# Altium PCB PROC099A_ASCII.PcbDoc (part 1 of 6) (continued)
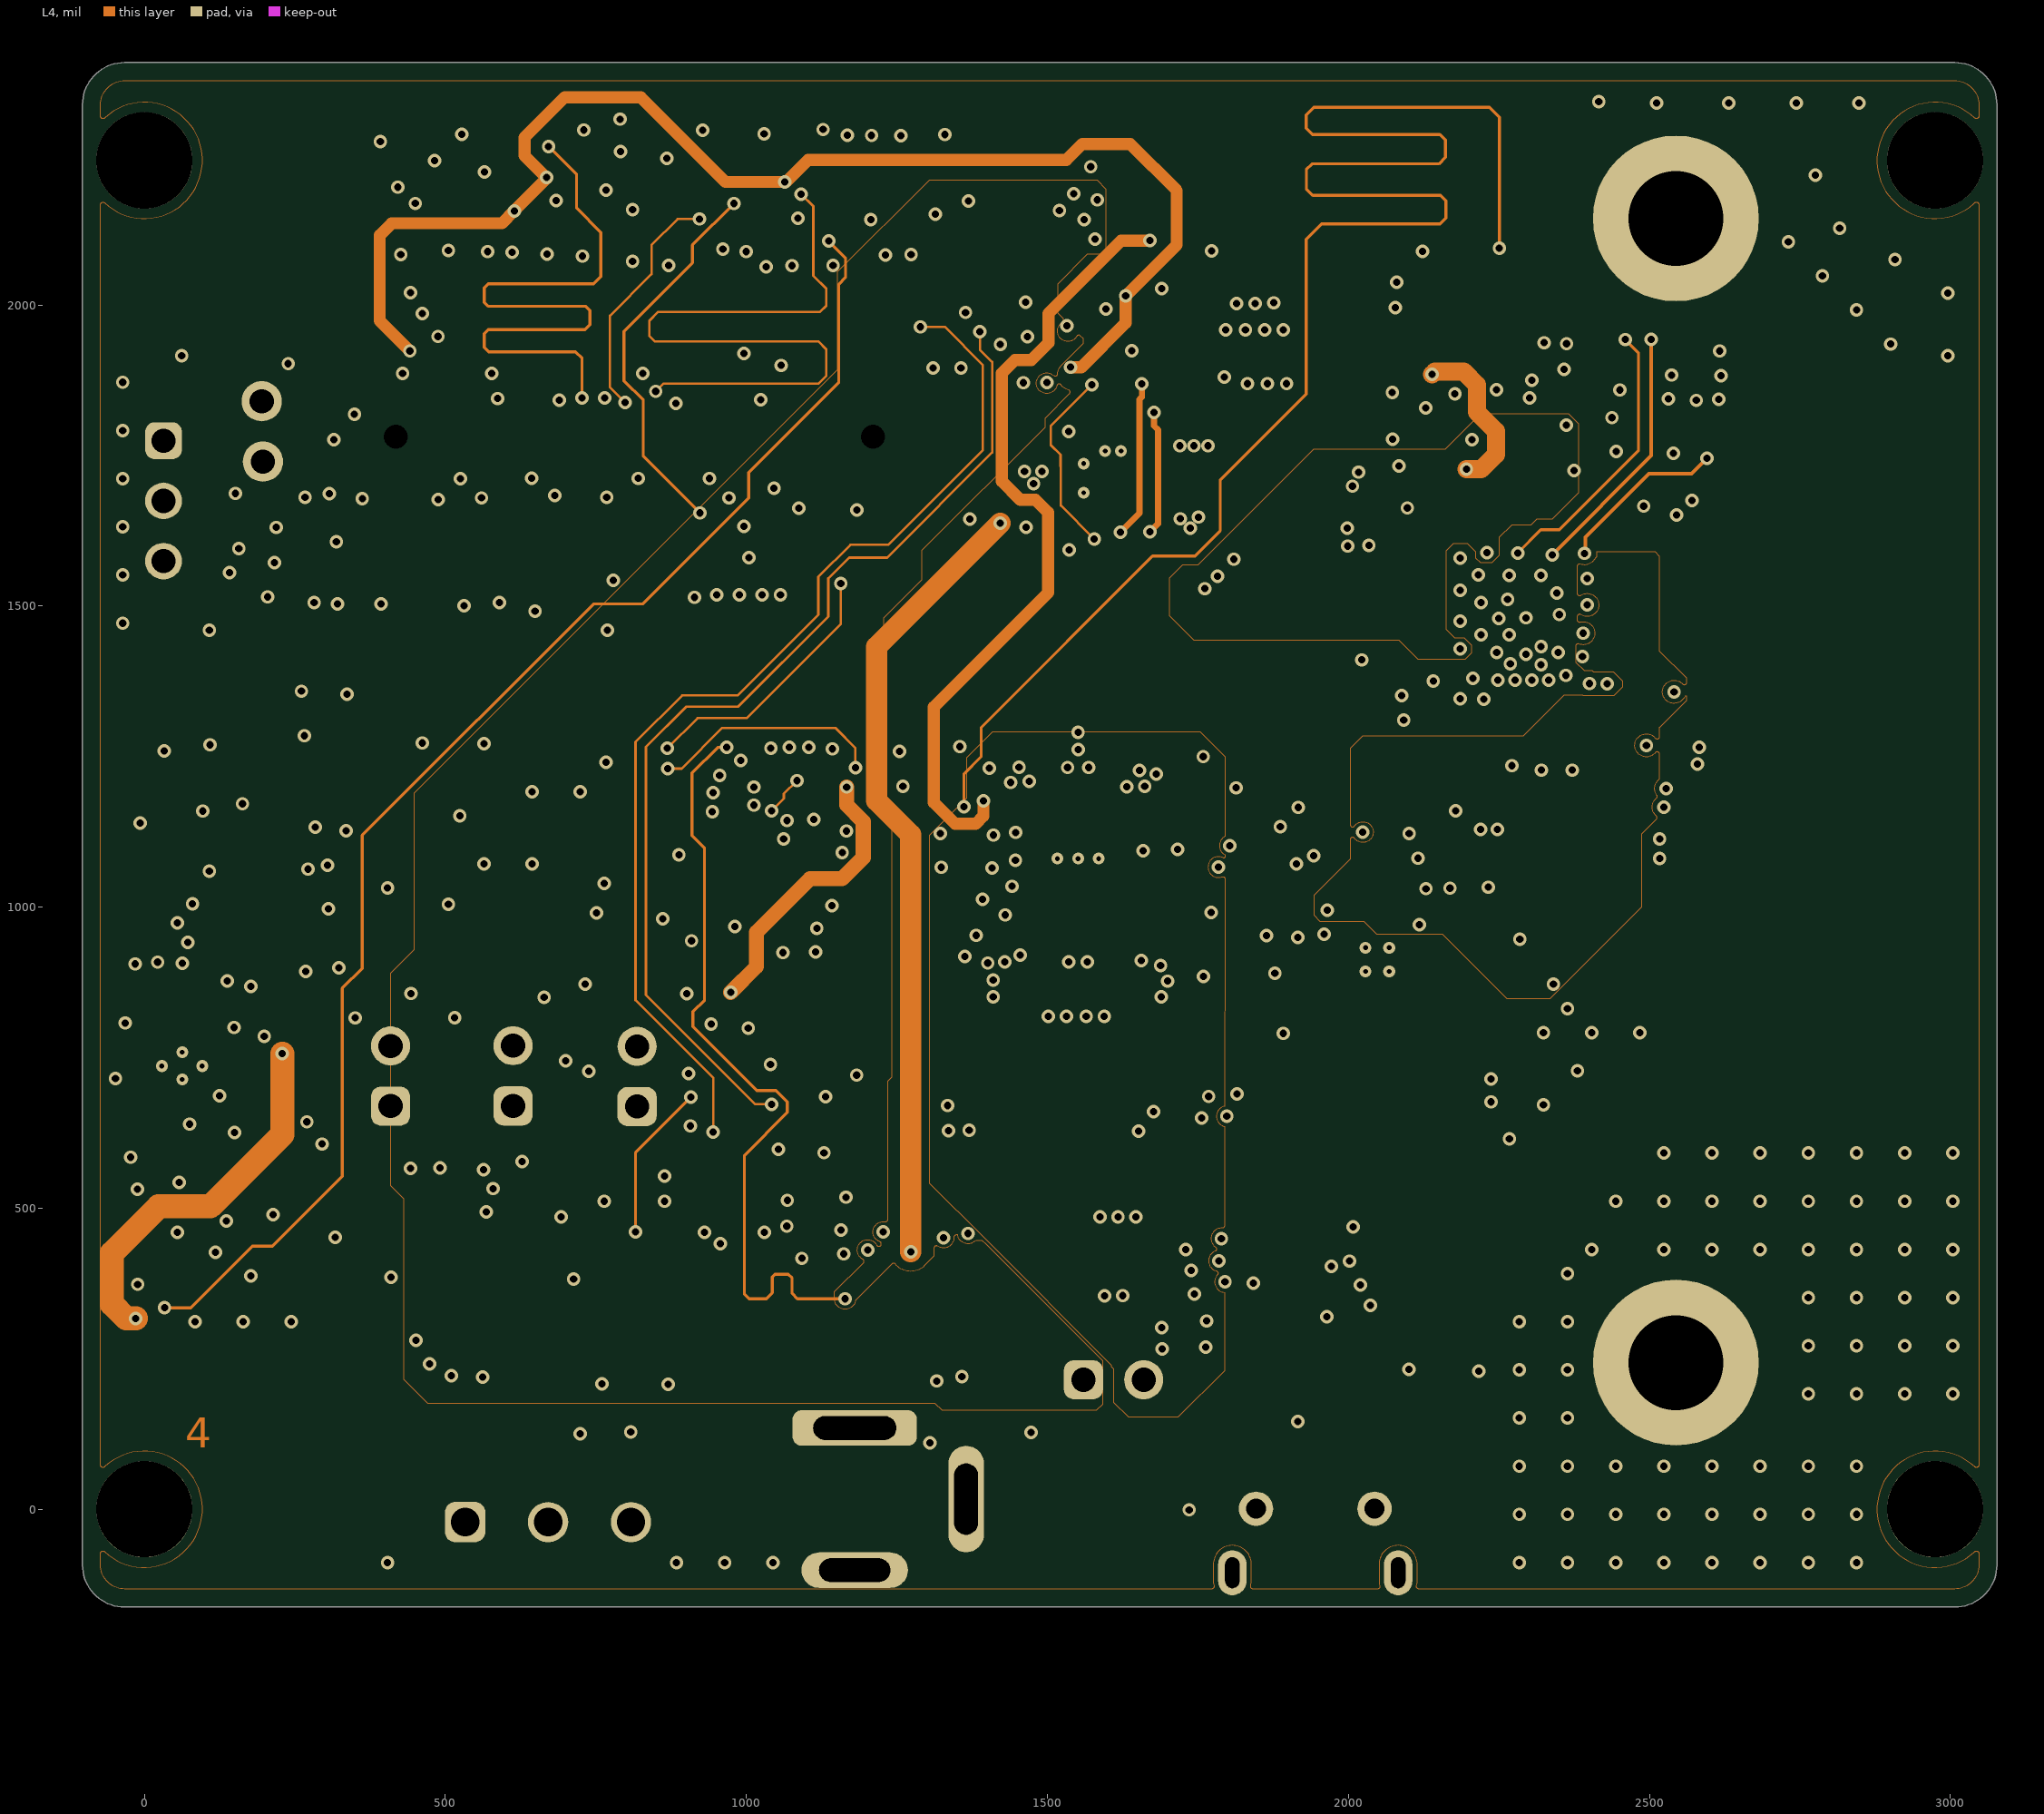
[diagram p4: L4]
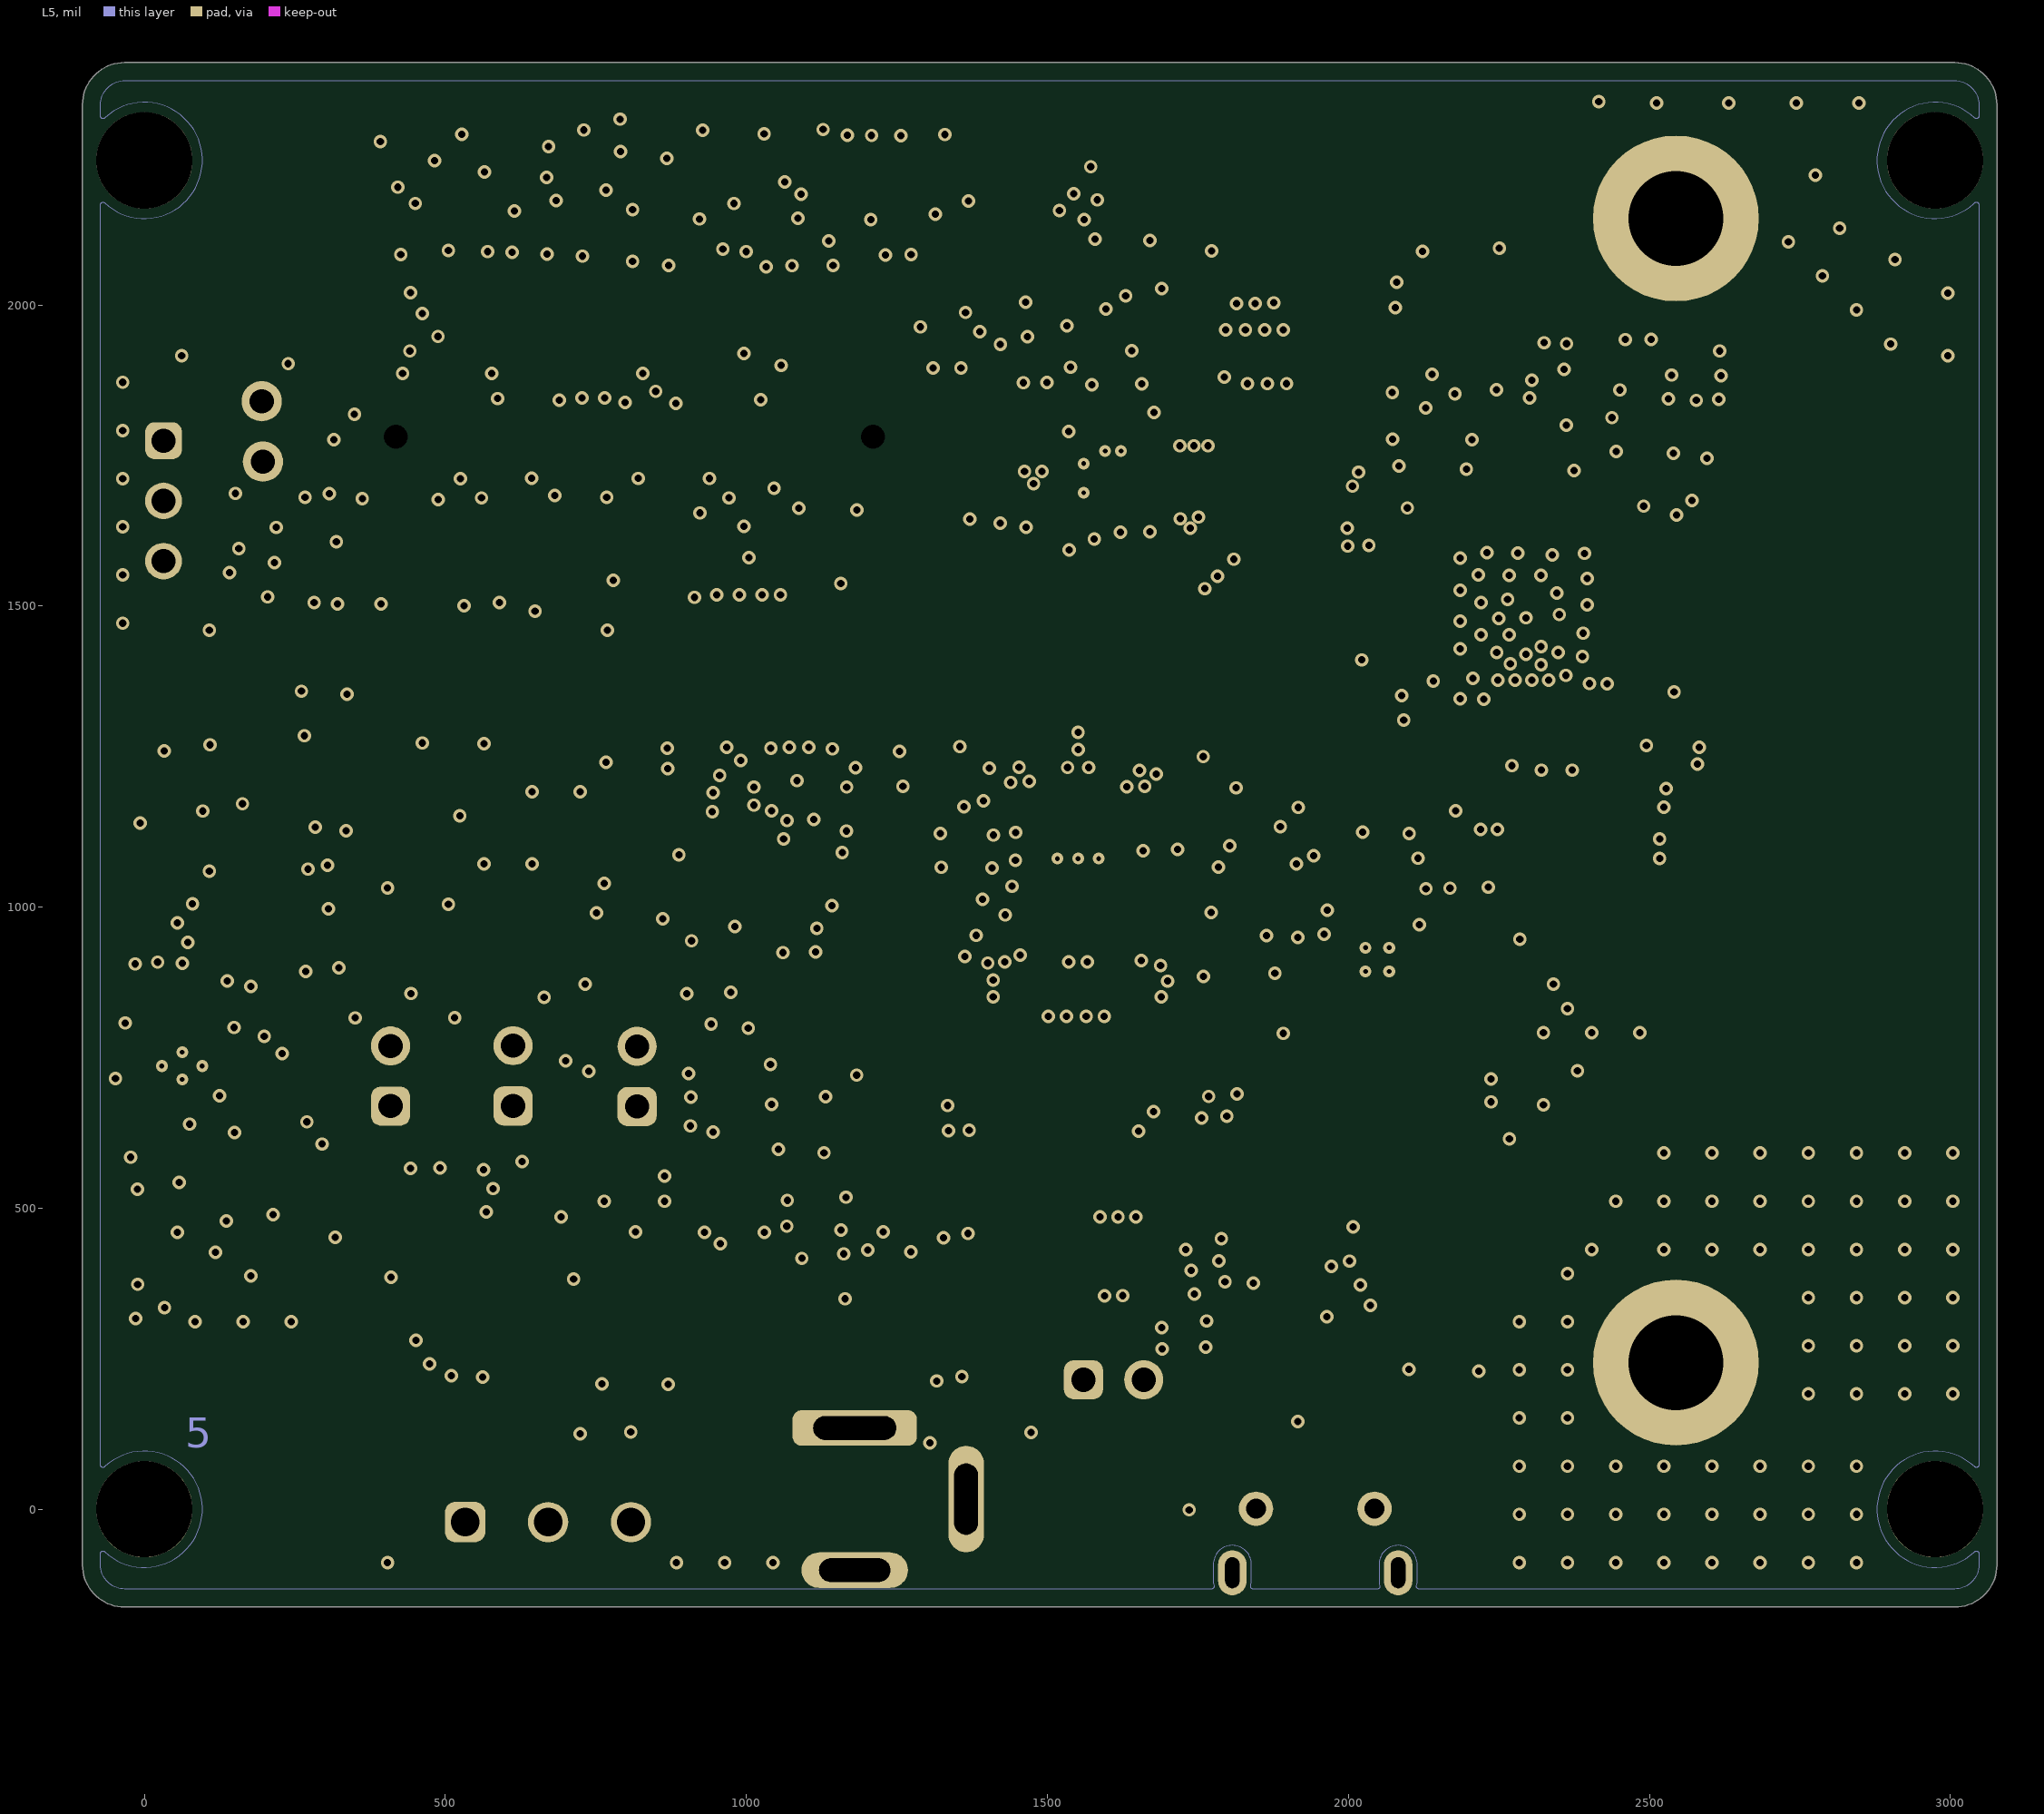
[diagram p5: L5]

## Layer stack, top to bottom
Top Solder: solder mask 0.8, Solder Resist, Dk 3.5
TOP: signal copper 1.6
Dielectric 1: core 4, RO4835 LOPRO, Dk 3.66
L2: signal copper 1.2
Dielectric2: core 2.85, FR4 370HR, Dk 3.9
Dielectric 3: dielectric 2.85, FR4 370HR, Dk 3.9
L3: signal copper 1.2
Dielectric4: core 28, FR4 370HR, Dk 4.36
L4: signal copper 1.2
Dielectric5: core 2.92, FR4 370HR, Dk 3.9
Dielectric 6: dielectric 2.92, FR4 370HR, Dk 3.9
L5: signal copper 1.2
Dielectric7: core 4, FR4 370HR, Dk 4.26
BOTTOM: signal copper 1.6
Bottom Solder: solder mask 0.8, Solder Resist, Dk 3.5

## Board outline
-32.75,-162.5 cw(c-32.75,-92.5) -102.75,-92.5 -102.75,2332.5 cw(c-32.75,2332.5) -32.75,2402.5 3007.25,2402.5 cw(c3007.25,2332.5) 3077.25,2332.5 3077.25,-92.5 cw(c3007.25,-92.5) 3007.25,-162.5

## Design rules (kind name [scope] priority, off if disabled: settings)
AssemblyTestPointUsage [All] p0: scope1count=1 scope1_0_kind=Board scope1_0_value=Board scope2count=1 scope2_0_kind=Board scope2_0_value=Board commentlength=0
AssemblyTestpoint [All] p0: scope1count=1 scope1_0_kind=Board scope1_0_value=Board scope2count=1 scope2_0_kind=Board scope2_0_value=Board commentlength=0
Clearance Clearance_RF [All] p0 off: scope1count=1 scope1_0_kind=Board scope1_0_value=Board scope2count=1 scope2_0_kind=Board scope2_0_value=Board commentlength=45 gap=6.73 // Protel DXP Scope 2 Expression Was: inpoly
Clearance Clearance_L34 [All] p0 off: scope1count=1 scope1_0_kind=Board scope1_0_value=Board scope2count=1 scope2_0_kind=Board scope2_0_value=Board commentlength=60 gap=15 // Protel DXP Scope 1 Expression Was: InLayerClass('L3_L4')
Clearance Clearance_PMIC [All] p0 off: scope1count=1 scope1_0_kind=Board scope1_0_value=Board scope2count=1 scope2_0_kind=Board scope2_0_value=Board commentlength=70 gap=5 // Protel DXP Scope 1 Expression Was: WithinRoom('Copper to PMIC IC')
Clearance Clearance_BTM [All] p0: scope1count=1 scope1_0_kind=Layer scope1_0_value=BOTTOM scope2count=1 scope2_0_kind=Board scope2_0_value=Board commentlength=0 gap=15
Clearance Clearance_L25 [All] p0 off: scope1count=1 scope1_0_kind=Board scope1_0_value=Board scope2count=1 scope2_0_kind=Board scope2_0_value=Board commentlength=60 gap=15 // Protel DXP Scope 1 Expression Was: InLayerClass('L2_L5')
Clearance RX_TX_L34 [All] p0 off: scope1count=1 scope1_0_kind=Board scope1_0_value=Board scope2count=1 scope2_0_kind=NetClass scope2_0_value=RX_TX commentlength=60 gap=10 // Protel DXP Scope 1 Expression Was: InLayerClass('L3_L4')
Clearance COPLANNER [All] p0 off: scope1count=1 scope1_0_kind=Board scope1_0_value=Board scope2count=1 scope2_0_kind=Board scope2_0_value=Board commentlength=81 gap=3 // Protel DXP Scope 1 Expression Was: WithinRoom('COUPLE') and not OnLayer('L4')
Clearance Clearance_1 [All] p0 off: scope1count=1 scope1_0_kind=Board scope1_0_value=Board scope2count=1 scope2_0_kind=Board scope2_0_value=Board commentlength=69 gap=6.71 // Protel DXP Scope 1 Expression Was: WithinRoom('DUT') OR InPolygon
Clearance Clearance_TOP [All] p0: scope1count=1 scope1_0_kind=Layer scope1_0_value=TOP scope2count=1 scope2_0_kind=Board scope2_0_value=Board commentlength=0 gap=10
Clearance RX_TX_L25 [All] p0 off: scope1count=1 scope1_0_kind=Board scope1_0_value=Board scope2count=1 scope2_0_kind=NetClass scope2_0_value=RX_TX commentlength=60 gap=10 // Protel DXP Scope 1 Expression Was: InLayerClass('L2_L5')
Clearance RX_TX_TOP [All] p0: scope1count=1 scope1_0_kind=Layer scope1_0_value=TOP scope2count=1 scope2_0_kind=NetClass scope2_0_value=RX_TX commentlength=0 gap=10
Clearance same_net_cl_inner [All] p0 off: scope1count=1 scope1_0_kind=Board scope1_0_value=Board scope2count=1 scope2_0_kind=Board scope2_0_value=Board commentlength=61 gap=10 // Protel DXP Scope 1 Expression Was: InLayerClass('layers')
Clearance Clearance_RF [InNetClass('RF') and not ispad vs inpoly] p1: gap=6.73 ignorepadtopadclearanceinfootprint=FALSE
Clearance Clearance_L34 [InLayerClass('L3_L4')] p2: gap=15 ignorepadtopadclearanceinfootprint=FALSE except(0: Arc-Hole Track-Hole SMDPad-Hole THPad-Hole Via-Hole Fill-Hole Poly-Hole Region-Hole Text-Hole; 5: Arc-Track Arc-SMDPad Track-Track Track-SMDPad; 5.9: Via-Via; 6: Arc-Arc Arc-THPad Arc-Via Track-THPad Track-Via SMDPad-SMDPad SMDPad-THPad SMDPad-Via SMDPad-Fill SMDPad-Poly THPad-THPad THPad-Via Via-Fill Via-Poly; 10: THPad-Fill THPad-Poly)
Clearance Clearance_PMIC [WithinRoom('Copper to PMIC IC')] p3: gap=5 ignorepadtopadclearanceinfootprint=FALSE except(0: Arc-Hole Track-Hole SMDPad-Hole THPad-Hole Via-Hole Fill-Hole Poly-Hole Region-Hole Text-Hole; 4: Arc-Track Track-Track; 4.5: Track-Via SMDPad-SMDPad)
Clearance Clearance_BTM [OnLayer('BOTTOM')] p4: gap=15 ignorepadtopadclearanceinfootprint=FALSE except(0: Arc-SMDPad Arc-Hole Track-Hole SMDPad-Hole THPad-Hole Via-Hole Fill-Hole Poly-Hole Region-Hole Text-Hole; 4: Track-SMDPad; 4.5: Arc-Via Track-Via; 5: Arc-Arc Arc-Track Track-Track SMDPad-Via; 6: Arc-THPad Track-THPad SMDPad-SMDPad SMDPad-THPad THPad-THPad THPad-Via; 8: Arc-Fill Arc-Poly Track-Fill Track-Poly Via-Fill Via-Poly; 9: SMDPad-Fill SMDPad-Poly THPad-Fill THPad-Poly; 16.6: Via-Via)
Clearance Clearance_L25 [InLayerClass('L2_L5')] p5: gap=15 ignorepadtopadclearanceinfootprint=FALSE except(0: Arc-Hole Track-Hole SMDPad-Hole THPad-Hole Via-Hole Fill-Hole Poly-Hole Region-Hole Text-Hole; 5: Arc-Track Arc-SMDPad Track-Track Track-SMDPad; 6: Arc-Arc Arc-THPad Arc-Via Track-THPad Track-Via SMDPad-SMDPad SMDPad-THPad SMDPad-Via SMDPad-Fill SMDPad-Poly THPad-THPad THPad-Via Via-Via Via-Fill Via-Poly; 10: THPad-Fill THPad-Poly)
Clearance RX_TX_L34 [InLayerClass('L3_L4') vs InNetClass('RX_TX')] p6: gap=10 ignorepadtopadclearanceinfootprint=FALSE except(0: Arc-Hole Track-Hole SMDPad-Hole THPad-Hole Via-Hole Fill-Hole Poly-Hole Region-Hole Text-Hole; 4.86: Via-Via; 5: Arc-SMDPad Track-SMDPad; 6: Arc-Arc Arc-Track Arc-THPad Arc-Via Track-Track Track-THPad Track-Via SMDPad-SMDPad SMDPad-THPad SMDPad-Via SMDPad-Fill SMDPad-Poly THPad-THPad THPad-Via Via-Fill Via-Poly; 15: Arc-Fill Arc-Poly Track-Poly Fill-Fill Fill-Poly Poly-Poly; 16: Track-Fill)
Clearance COPLANNER [WithinRoom('COUPLE') and not OnLayer('L4')] p7: gap=3 ignorepadtopadclearanceinfootprint=FALSE except(0: Arc-Hole Track-Hole SMDPad-Hole THPad-Hole Via-Hole Fill-Hole Poly-Hole Region-Hole Text-Hole)
Clearance Clearance_1 [WithinRoom('DUT') OR InPolygon] p8: gap=6.71 ignorepadtopadclearanceinfootprint=FALSE except(0: Arc-Hole Track-Hole SMDPad-Hole THPad-Hole Via-Hole Fill-Hole Poly-Hole Region-Hole Text-Hole; 4: Track-Track Track-SMDPad Track-Via SMDPad-Via; 6.6: Via-Region; 6.72: Arc-Region Arc-Text Track-Region Track-Text SMDPad-Region SMDPad-Text THPad-Region THPad-Text Via-Text Fill-Region Fill-Text Poly-Region Poly-Text Region-Region Region-Text Text-Text; 9: SMDPad-Poly; 10: THPad-Poly)
Clearance Clearance_TOP [OnLayer('TOP')] p9: gap=10 ignorepadtopadclearanceinfootprint=FALSE except(0: Arc-SMDPad Arc-Hole Track-Hole SMDPad-Hole THPad-Hole Via-Hole Fill-Hole Poly-Hole Region-Hole Text-Hole; 4: Arc-Arc Arc-Track Arc-Via Track-Track Track-Via; 5: Track-SMDPad SMDPad-Via; 6: Arc-THPad Track-THPad SMDPad-SMDPad SMDPad-THPad THPad-THPad THPad-Via Via-Fill Via-Poly; 8: Arc-Fill Arc-Poly Track-Fill Track-Poly; 9: SMDPad-Fill SMDPad-Poly THPad-Fill THPad-Poly; 15: Fill-Fill Fill-Poly Poly-Poly; 15.4: Via-Via)
Clearance RX_TX_L25 [InLayerClass('L2_L5') vs InNetClass('RX_TX')] p10: gap=10 ignorepadtopadclearanceinfootprint=FALSE except(0: Arc-Hole Track-Hole SMDPad-Hole THPad-Hole Via-Hole Fill-Hole Poly-Hole Region-Hole Text-Hole; 5: Arc-SMDPad Track-SMDPad; 6: Arc-Arc Arc-Track Arc-THPad Arc-Via Track-Track Track-THPad Track-Via SMDPad-SMDPad SMDPad-THPad SMDPad-Via SMDPad-Fill SMDPad-Poly THPad-THPad THPad-Via Via-Fill Via-Poly; 9.1: Via-Via; 15: Arc-Fill Arc-Poly Track-Fill Track-Poly Fill-Fill Fill-Poly Poly-Poly)
Clearance RX_TX_TOP [OnLayer('TOP') vs InNetClass('RX_TX')] p11: gap=10 ignorepadtopadclearanceinfootprint=FALSE except(0: Arc-Hole Track-Hole SMDPad-Hole THPad-Hole Via-Hole Fill-Hole Poly-Hole Region-Hole Text-Hole; 4: Arc-Track Arc-SMDPad Track-Track Track-SMDPad SMDPad-Via; 6: Arc-THPad Track-THPad SMDPad-SMDPad SMDPad-THPad THPad-THPad THPad-Via THPad-Fill THPad-Poly; 6.7: Arc-Fill Arc-Poly Track-Fill Track-Poly; 6.72: Arc-Via Track-Via Via-Fill Via-Poly; 9: SMDPad-Fill SMDPad-Poly; 15.4: Via-Via)
Clearance same_net_cl_inner [InLayerClass('layers')] p12: gap=10 ignorepadtopadclearanceinfootprint=FALSE except(0: Arc-Hole Track-Hole SMDPad-Hole THPad-Hole Via-Hole Fill-Hole Poly-Hole Region-Hole Text-Hole; 5: Arc-THPad Track-Track Track-SMDPad Track-THPad SMDPad-SMDPad SMDPad-THPad THPad-THPad; 6: Track-Via SMDPad-Via THPad-Via Via-Via Via-Fill Via-Poly; 15: Arc-Fill Arc-Poly Fill-Fill Fill-Poly Poly-Poly)
ComponentClearance [All] p0: scope1count=1 scope1_0_kind=Board scope1_0_value=Board scope2count=1 scope2_0_kind=Board scope2_0_value=Board commentlength=0 gap=-1 collisioncheckmode=3
ComponentClearance [All] p1: gap=-1 collisioncheckmode=3 verticalgap=2 showdistances=FALSE
DiffPairsRouting DiffPairsRouting_LVDS [All] p0: scope1count=1 scope1_0_kind=NetClass scope1_0_value=LVDS scope2count=1 scope2_0_kind=Board scope2_0_value=Board commentlength=0
DiffPairsRouting DiffPairsRouting_USB [All] p0: scope1count=1 scope1_0_kind=NetClass scope1_0_value=USB scope2count=1 scope2_0_kind=Board scope2_0_value=Board commentlength=0
DiffPairsRouting DiffPairsRouting_USB [InNetClass('USB')] p1: maxlimit=5.6 minlimit=5.6 mostfreqgap=5.6 toplayer_minwidth=6 toplayer_maxwidth=6 toplayer_prefwidth=6 midlayer1_minwidth=6 midlayer1_maxwidth=6 midlayer1_prefwidth=6 midlayer2_minwidth=6 midlayer2_maxwidth=6 midlayer2_prefwidth=6 midlayer3_minwidth=6 midlayer3_maxwidth=6 midlayer3_prefwidth=6 midlayer4_minwidth=6 midlayer4_maxwidth=6 midlayer4_prefwidth=6 bottomlayer_minwidth=6 bottomlayer_maxwidth=6 bottomlayer_prefwidth=6 maxuncoupledlength=500
DiffPairsRouting DiffPairsRouting_LVDS [InNetClass('LVDS')] p2: maxlimit=5 minlimit=5 mostfreqgap=5 toplayer_minwidth=4 toplayer_maxwidth=5.2 toplayer_prefwidth=5.2 midlayer1_minwidth=4 midlayer1_maxwidth=5.2 midlayer1_prefwidth=5.2 midlayer2_minwidth=4 midlayer2_maxwidth=5.2 midlayer2_prefwidth=5.2 midlayer3_minwidth=4 midlayer3_maxwidth=5.2 midlayer3_prefwidth=5.2 midlayer4_minwidth=4 midlayer4_maxwidth=5.2 midlayer4_prefwidth=5.2 bottomlayer_minwidth=4 bottomlayer_maxwidth=5.2 bottomlayer_prefwidth=5.2 maxuncoupledlength=500
FabricationTestPointUsage [All] p0: scope1count=1 scope1_0_kind=Board scope1_0_value=Board scope2count=1 scope2_0_kind=Board scope2_0_value=Board commentlength=0 valid=0 allowmultiple=FALSE
FabricationTestpoint [All] p0: scope1count=1 scope1_0_kind=Board scope1_0_value=Board scope2count=1 scope2_0_kind=Board scope2_0_value=Board commentlength=0 side=3 testpointundercomponent=TRUE minsize=40 maxsize=100 preferedsize=60 minholesize=0 maxholesize=40 preferedholesize=32 testpointgrid=1
FanoutControl Fanout_Default [All] p0: scope1count=1 scope1_0_kind=Board scope1_0_value=Board scope2count=1 scope2_0_kind=Board scope2_0_value=Board commentlength=30 // Fanout_Default (Default Rule)
FanoutControl Fanout_Small [All] p0 off: scope1count=1 scope1_0_kind=Board scope1_0_value=Board scope2count=1 scope2_0_kind=Board scope2_0_value=Board commentlength=84 // Protel DXP Scope 1 Expression Was: (CompPinCount < 5)   Fanout_Small (Default Rule)
FanoutControl Fanout_SOIC [All] p0 off: scope1count=1 scope1_0_kind=Board scope1_0_value=Board scope2count=1 scope2_0_kind=Board scope2_0_value=Board commentlength=71 // Protel DXP Scope 1 Expression Was: IsSOIC   Fanout_SOIC (Default Rule)
FanoutControl Fanout_LCC [All] p0 off: scope1count=1 scope1_0_kind=Board scope1_0_value=Board scope2count=1 scope2_0_kind=Board scope2_0_value=Board commentlength=69 // Protel DXP Scope 1 Expression Was: IsLCC   Fanout_LCC (Default Rule)
FanoutControl Fanout_BGA [All] p0 off: scope1count=1 scope1_0_kind=Board scope1_0_value=Board scope2count=1 scope2_0_kind=Board scope2_0_value=Board commentlength=69 // Protel DXP Scope 1 Expression Was: IsBGA   Fanout_BGA (Default Rule)
Height [All] p0: scope1count=1 scope1_0_kind=Board scope1_0_value=Board scope2count=1 scope2_0_kind=Board scope2_0_value=Board commentlength=0
HoleSize [All] p0: scope1count=1 scope1_0_kind=Board scope1_0_value=Board scope2count=1 scope2_0_kind=Board scope2_0_value=Board commentlength=0 absolutevalues=TRUE maxlimit=200 minlimit=5.9 maxpercent=80.000 minpercent=20.000
HoleSize [All] p1: absolutevalues=TRUE maxlimit=200 minlimit=5.9 maxpercent=80.000 minpercent=20.000
HoleToHoleClearance [All] p0: scope1count=1 scope1_0_kind=Board scope1_0_value=Board scope2count=1 scope2_0_kind=Board scope2_0_value=Board commentlength=0
LayerPairs [All] p0: scope1count=1 scope1_0_kind=Board scope1_0_value=Board scope2count=1 scope2_0_kind=Board scope2_0_value=Board commentlength=0 enforce=TRUE
MinimumAnnularRing [All] p0: scope1count=1 scope1_0_kind=Board scope1_0_value=Board scope2count=1 scope2_0_kind=Board scope2_0_value=Board commentlength=0 minimumring=3
MinimumAnnularRing [All] p1: minimumring=3
MinimumSolderMaskSliver [All] p0: scope1count=1 scope1_0_kind=Board scope1_0_value=Board scope2count=1 scope2_0_kind=Board scope2_0_value=Board commentlength=0
MinimumSolderMaskSliver [All] p1: minsoldermaskwidth=2
NetAntennae [All] p0: scope1count=1 scope1_0_kind=Board scope1_0_value=Board scope2count=1 scope2_0_kind=Board scope2_0_value=Board commentlength=0
PasteMaskExpansion [All] p0: scope1count=1 scope1_0_kind=Board scope1_0_value=Board scope2count=1 scope2_0_kind=Board scope2_0_value=Board commentlength=0 expansion=0
PlaneClearance [All] p0: scope1count=1 scope1_0_kind=Board scope1_0_value=Board scope2count=1 scope2_0_kind=Board scope2_0_value=Board commentlength=0 clearance=20
PlaneConnect [All] p0: scope1count=1 scope1_0_kind=Board scope1_0_value=Board scope2count=1 scope2_0_kind=Board scope2_0_value=Board commentlength=0 planeconnectstyle=Direct reliefexpansion=20 reliefentries=4 reliefconductorwidth=10 reliefairgap=10
PlaneConnect [All] p1: planeconnectstyle=Direct reliefexpansion=20 reliefentries=4 reliefconductorwidth=10 reliefairgap=10
PolygonConnect [All] p0: scope1count=1 scope1_0_kind=Board scope1_0_value=Board scope2count=1 scope2_0_kind=Board scope2_0_value=Board commentlength=0 connectstyle=Direct reliefconductorwidth=10 reliefentries=4 polygonreliefangle="90 Angle"
PolygonConnect [All] p1: connectstyle=Direct reliefconductorwidth=10 reliefentries=4 polygonreliefangle="90 Angle" airgapwidth=10
RoomDefinition COUPLE [All] p0 off: scope1count=1 scope1_0_kind=Board scope1_0_value=Board scope2count=1 scope2_0_kind=Board scope2_0_value=Board commentlength=63 region_x1=33703740 region_y1=42686220 region_x2=41573760 region_y2=44618700 confinementstyle=ConfineOut // Protel DXP Scope 1 Expression Was: WithinRoom('CO_PLANNER')
RoomDefinition DUT [All] p0: scope1count=1 scope1_0_kind=ComponentClass scope1_0_value=DUT scope2count=1 scope2_0_kind=Board scope2_0_value=Board commentlength=0 region_x1=38441690 region_y1=29482510 region_x2=48386870 region_y2=38673070 confinementstyle=ConfineIn
RoomDefinition "Copper to PMIC IC" [All] p0: scope1count=1 scope1_0_kind=Board scope1_0_value=Board scope2count=1 scope2_0_kind=Board scope2_0_value=Board commentlength=0 region_x1=32135000 region_y1=30482250 region_x2=34784410 region_y2=33656490 confinementstyle=ConfineIn
RoomDefinition "Copper to PMIC IC" [All] p1: confinementstyle=ConfineIn formatcopy=TRUE lockcomponents=FALSE outline 1421.5,1231.65 1686.44,1231.65 1686.44,914.22 1421.5,914.22
RoomDefinition DUT [InComponentClass('DUT')] p2: confinementstyle=ConfineIn formatcopy=TRUE lockcomponents=FALSE outline 3046.69,814.25 2272.5,814.25 2228.68,858.9 2228.68,1299.21 2052.17,1299.21 2052.17,1299.2 2052.17,1733.31 3043.03,1733.31
RoomDefinition COUPLE [WithinRoom('CO_PLANNER')] p3: confinementstyle=ConfineOut formatcopy=TRUE lockcomponents=FALSE outline 1578.38,2327.87 1578.38,2213.88 1578.37,2213.87 1968.78,2213.87 1968.78,2134.62 2365.38,2134.62 2365.38,2327.86 1578.37,2327.86
RoutingCorners [All] p0: scope1count=1 scope1_0_kind=Board scope1_0_value=Board scope2count=1 scope2_0_kind=Board scope2_0_value=Board commentlength=0 cornerstyle=45-Degree minsetback=100 maxsetback=100
RoutingLayers [All] p0: scope1count=1 scope1_0_kind=Board scope1_0_value=Board scope2count=1 scope2_0_kind=Board scope2_0_value=Board commentlength=0 top layer=Automatic mid layer 1=Automatic mid layer 2=Automatic mid layer 3=Automatic mid layer 4=Automatic bottom layer=Automatic